# KiCad board Combined.kicad_pcb (continued)
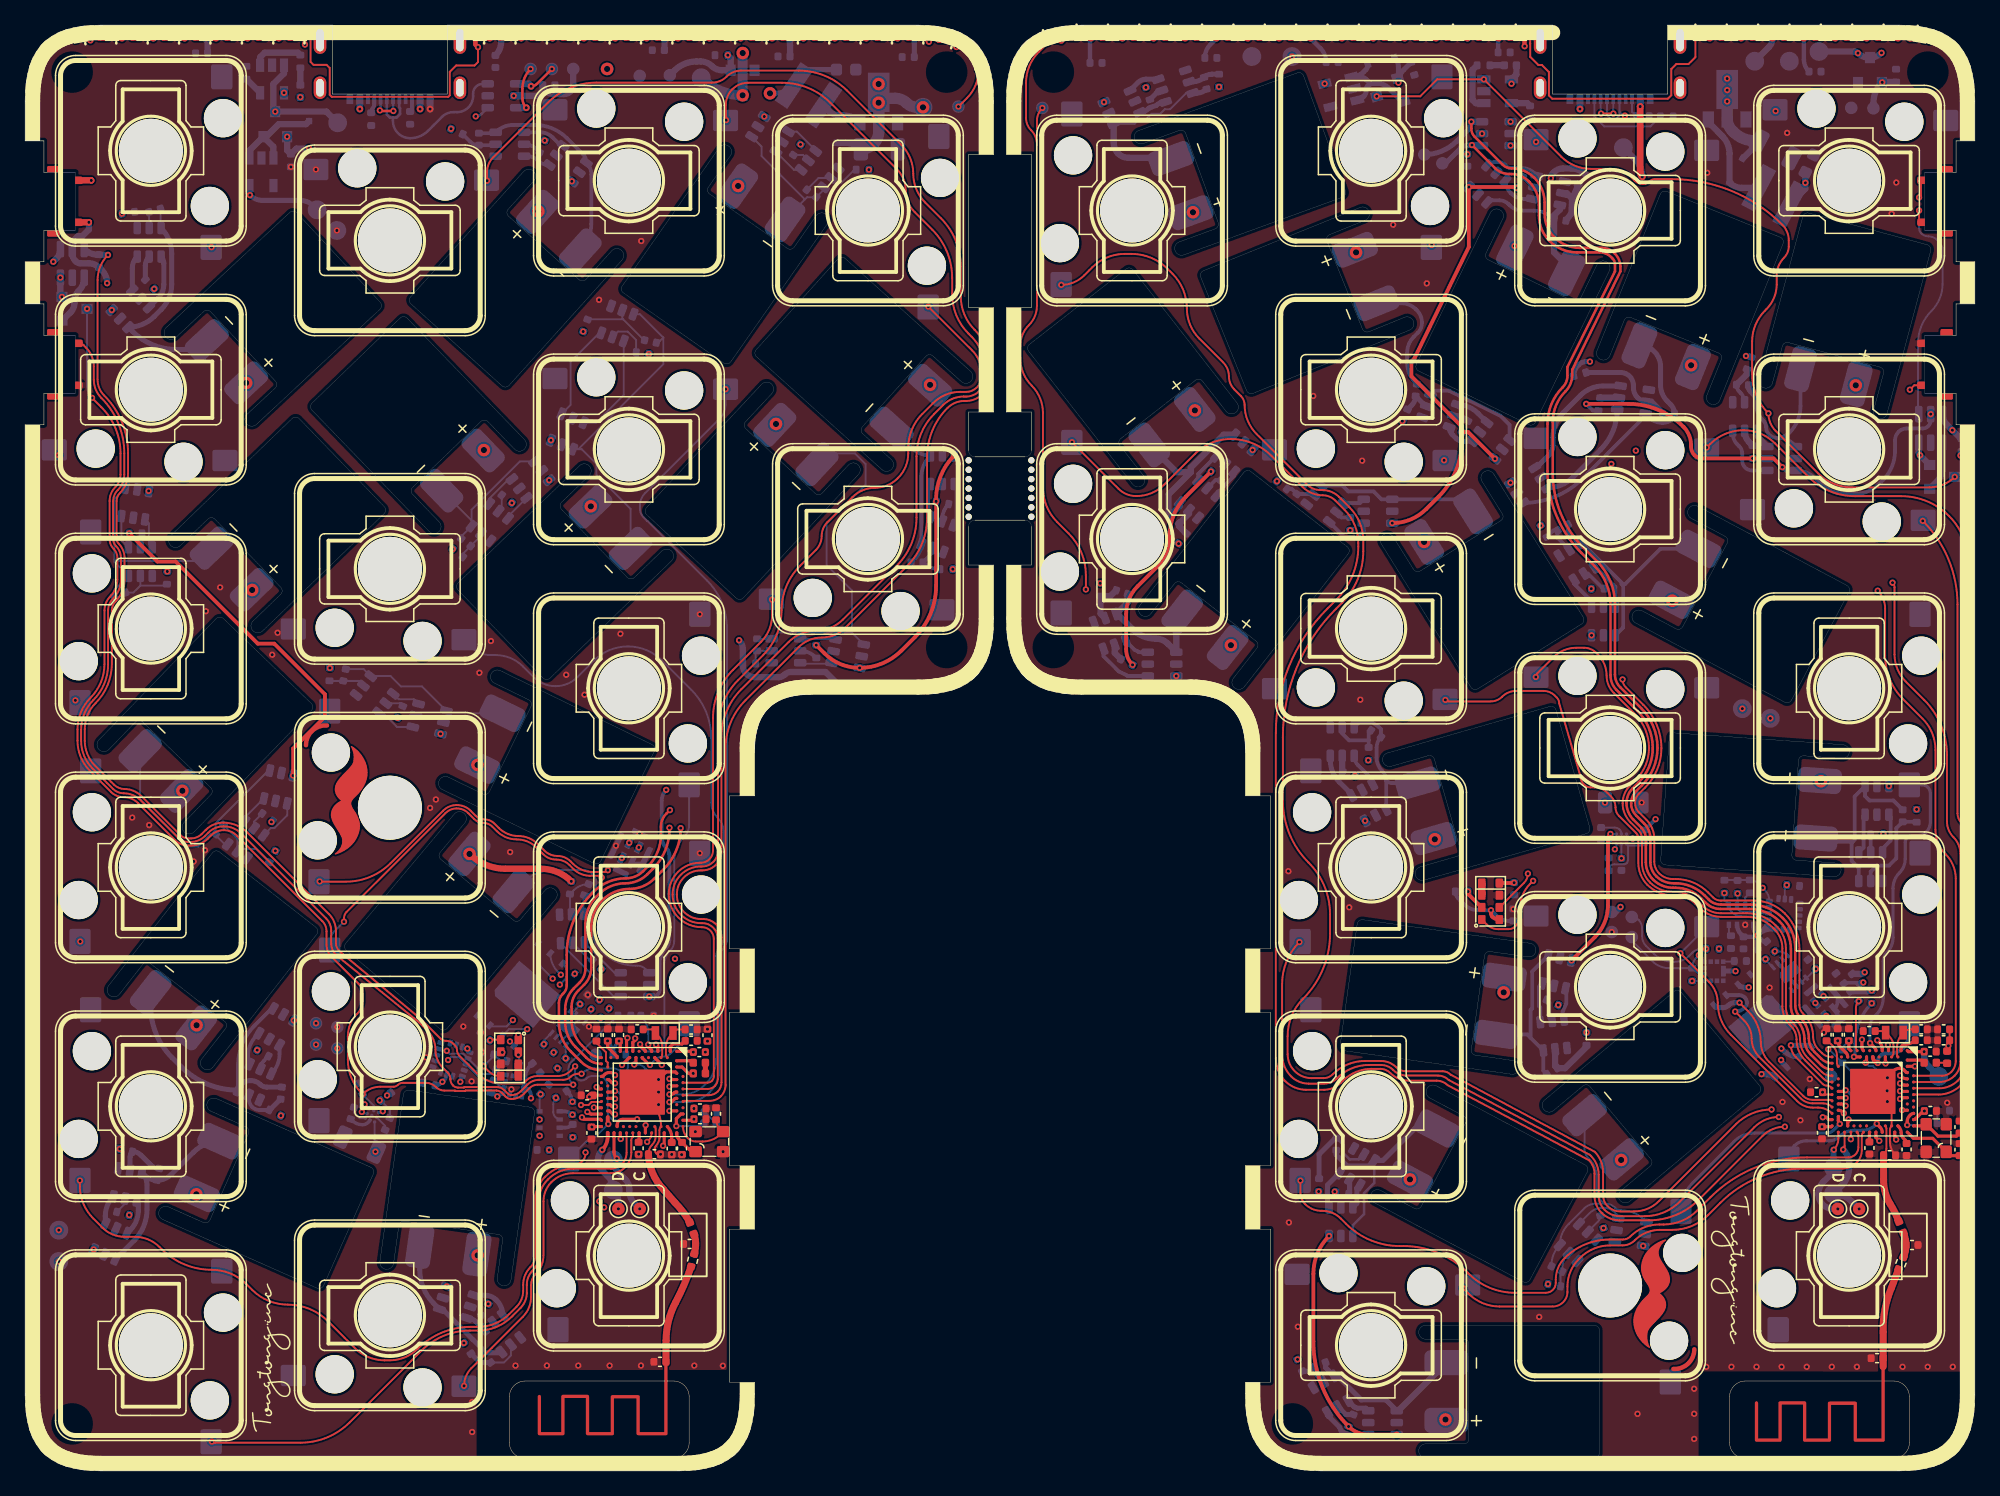
[diagram p0: board, top side]
## Routing (per net, layer and track width the routed paths; a pad name or vN(x,y) marks a point on that pad's centre or on a via; arc(x,y) is an arc through that point) (continued)
  vias: v2(41.01,28.03) v2(41.01,26.73) v2(41.77,25.6) v2(42.13,33.37) v2(42.43,32.12) v2(43.63,29.44) v2(43.65,26.61) v2(43.81,39.65) v2(44.23,37.23) v2(45.11,36.82) v2(45.18,27.43) v2(45.78,37.57) v2(48.91,49.72) v2(135,41.64) v2(143.25,30.2) v2(143.34,37.86) v2(151.37,28.7)
/BAROMETRIC/SDO: length 2
  Bottom w0.15: U35.5 41.01,29.96 ; 135.79,42.85 U35#2.5
  vias: v2(41.08,30.03)
/FLASH/QSPI_CS: length 26.7
  Top w0.15: v2(44.31,29.18) 44.91,29.18 45.15,29.42 45.9,29.42 U30#2.AD16 ; v2(136.64,37.34) 137.32,36.66 arc(138.07,35.54) 138.33,34.21 arc(138.51,33.35) 138.99,32.63 141.71,29.9 arc(142.06,29.67) 142.46,29.59 143.82,29.59 arc(143.92,29.57) U30.AD16
  In1.Cu w0.15: v2(38.64,34.25) arc(38.71,34.29) 38.79,34.31 39.75,34.31 arc(40,34.36) 40.21,34.5 arc(40.34,34.59) 40.5,34.62 41.2,34.62 arc(42.33,34.39) 43.3,33.75 44.41,32.64 arc(44.7,32.21) 44.8,31.7 44.8,31.61 arc(44.73,31.29) 44.55,31.01 arc(44.25,30.57) 44.15,30.04 44.15,29.57 arc(44.19,29.36) v2(44.31,29.18)
  Bottom w0.15: v2(38.64,34.25) 38.99,33.91
  Bottom w0.4: 134.77,36.96 U39.1 arc(134.82,36.99) 135.06,36.94 135.31,36.94 arc(135.54,36.99) 135.74,37.12 arc(135.99,37.29) 136.27,37.34 v2(136.64,37.34)
/FLASH/QSPI_DATA0: length 20.3
  Top w0.15: U30.AD12 143.95,30.58 arc(143.79,30.68) 143.59,30.72 arc(143.42,30.76) 143.27,30.86 141.12,33 arc(140.84,33.44) v2(140.73,33.94)
  Top w0.25: v2(45.55,30.61) 45.7,30.46 U30#2.AD12
  In1.Cu w0.15: v2(45.55,30.61) arc(45.64,30.75) 45.68,30.91 45.68,31.64 arc(45.5,32.53) 45,33.28 42.91,35.36 arc(42.28,36.31) 42.06,37.43 42.06,39.24 arc(42.05,39.25) v2(42.05,39.26)
  Bottom w0.15: v2(42.05,39.26) 41.19,40.12 arc(40.97,40.45) 40.89,40.85 40.89,42.05 arc(40.88,42.07) U39#2.5
  Bottom w0.4: v2(140.73,33.94) 142.11,33.94 arc(142.23,33.92) U39.5 142.24,33.94
/FLASH/QSPI_DATA1: length 27.6
  Top w0.15: v2(136.29,36.63) 137.02,35.91 arc(137.45,35.26) 137.6,34.49 arc(137.76,33.69) 138.22,33.01 141.51,29.71 arc(141.96,29.42) 142.48,29.31 143.29,29.31 arc(143.68,29.24) U30.AD18
  Top w0.25: v2(45.34,28.98) 45.36,28.96 U30#2.AD18
  In1.Cu w0.15: v2(45.34,28.98) arc(45.17,29.01) 45.03,29.11 44.69,29.45 arc(44.54,29.67) 44.49,29.94 44.49,30.21 arc(44.55,30.52) 44.73,30.79 arc(44.99,31.18) 45.08,31.63 45.08,31.69 arc(44.95,32.31) 44.6,32.83 43.39,34.04 arc(42.1,34.91) 40.58,35.21 40.06,35.21 arc(40.04,35.21) v2(40.02,35.23)
  Bottom w0.15: v2(40.02,35.23) 38.56,35.23 38.06,34.72
  Bottom w0.3: U39.2 136.59,37.95 arc(136.85,37.9) 137.06,37.75 arc(137.18,37.58) 137.22,37.37 137.22,37.32 arc(137.19,37.13) 137.08,36.96 137.06,36.95 arc(136.71,36.71) v2(136.29,36.63)
/FLASH/QSPI_DATA2: length 30.2
  Top w0.25: v2(47.02,28.44) 46.85,28.44 46.58,28.71 U30#2.AC19 ; v2(144.96,28.52) 144.85,28.62 arc(144.7,28.73) U30.AC19
  In1.Cu w0.15: v2(47.02,28.44) 47,28.44 45.27,30.16 arc(45.13,30.38) 45.08,30.64 45.08,30.64 arc(45.11,30.79) 45.19,30.91 arc(45.33,31.13) 45.39,31.39 45.39,31.66 arc(45.24,32.41) 44.81,33.04 43.4,34.46 arc(41.77,35.55) 39.85,35.93 38.92,35.93 arc(38.9,35.94) v2(38.88,35.95) ; v2(144.96,28.52) arc(144.47,28.84) 143.9,28.95 143.86,28.95 arc(143.13,29.1) 142.52,29.51 139.58,32.45 arc(138.82,33.58) 138.55,34.92 138.55,35.71 arc(138.25,37.26) v2(137.37,38.56)
  Bottom w0.15: 37.13,35.45 38.38,35.45 v2(38.88,35.95)
  Bottom w0.4: v2(137.37,38.56) 137.04,38.56 arc(136.77,38.62) U39.3
/FLASH/QSPI_DATA3: length 21.8
  Top w0.25: U30.AC17 144.75,29.26 arc(144.94,29.23) v2(145.09,29.12) ; v2(47.02,29.05) 46.77,29.05 46.62,29.21 U30#2.AC17
  In1.Cu w0.15: v2(42.62,38.78) 42.62,37.97 arc(42.96,36.22) 43.95,34.74 45.22,33.48 arc(45.84,32.55) 46.06,31.45 46.06,30.65 arc(46.19,29.96) 46.59,29.37 46.82,29.14 arc(46.91,29.08) v2(47.02,29.05) ; v2(145.09,29.12) arc(144.82,29.31) 144.49,29.37 143.94,29.37 arc(143.29,29.5) 142.73,29.88 140.04,32.57 arc(139.98,32.66) v2(139.95,32.77)
  Bottom w0.15: v2(42.62,38.78) 43,39.16 arc(43.14,39.37) 43.19,39.62 43.19,39.71 arc(43.11,40.08) 42.9,40.4 U39#2.7
  Bottom w0.4: U39.7 140.04,32.56 arc(139.98,32.66) v2(139.95,32.77)
/FLASH/QSPI_SCK: length 22.7
  Top w0.25: v2(47.02,29.67) 46.98,29.71 U30#2.AC15 ; U30.AC15 145.07,29.76 v2(145.09,29.74)
  In1.Cu w0.15: v2(139.97,33.68) 140.1,33.55 arc(140.48,33.3) 140.92,33.21 arc(141.35,33.13) 141.71,32.89 144.69,29.91 arc(144.87,29.78) v2(145.09,29.74) ; v2(47.02,29.67) arc(46.92,29.69) 46.84,29.75 46.64,29.95 arc(46.43,30.26) 46.36,30.63 46.36,31.37 arc(46.1,32.64) 45.39,33.71 44.61,34.48 arc(43.74,35.8) 43.43,37.35 43.43,37.81 arc(43.24,38.76) v2(42.7,39.57)
  Bottom w0.15: v2(42.7,39.57) 42.48,39.79 arc(42.02,40.47) U39#2.6
  Bottom w0.4: 139.99,33.68 v2(139.97,33.68) 140.12,33.54 arc(140.69,33.15) U39.6
/FuelGauge/BatteryPin: length 23.1
  Top w0.25: U30.J1 148.01,33.68 148.01,33.68 arc(147.97,33.93) 147.83,34.13 v2(147.62,34.34) ; v2(49.67,34) 49.67,33.82 49.94,33.55 U30#2.J1
  In1.Cu w0.15: v2(146.5,38.95) 147.15,38.95 arc(147.38,38.91) 147.58,38.77 arc(147.7,38.61) 147.73,38.41 147.73,37.23 arc(147.69,37.02) 147.57,36.84 arc(147.41,36.73) 147.21,36.69 146.49,36.69 arc(145.92,36.81) 145.44,37.13 144.55,38.02 arc(144.01,38.38) 143.38,38.5 arc(143,38.43) 142.69,38.22 arc(142.26,37.58) 142.11,36.83 142.11,36.83 arc(142.21,36.37) 142.46,35.98 142.65,35.8 arc(143.05,35.53) 143.53,35.43 144.98,35.43 arc(146.41,35.15) v2(147.62,34.34)
  Bottom w0.15: 146.38,38.83 v2(146.5,38.95) ; 48.29,36.3 R41.1 arc(49.51,35.65) 49.67,34.88 v2(49.67,34)
  Bottom w0.3: 145.08,38.92 146.03,38.92 arc(146.15,38.9) R40#2.2
/Gyro/Gyro_Interupt: length 48.9
  Top w0.25: U30.B19 149.61,28.76 v2(149.59,28.78) ; U30#2.B19 v2(51.36,28.71)
  In1.Cu w0.15: v2(51.36,28.71) 49.11,28.71 arc(48.79,28.65) 48.53,28.47 48.2,28.14 arc(48.14,28.05) 48.11,27.94 arc(48.09,27.83) 48.03,27.73 47.36,27.06 arc(46.61,26.56) 45.74,26.39 45.08,26.39 arc(44.73,26.46) 44.43,26.66 43.6,27.49 arc(43.52,27.54) 43.43,27.56 arc(43.28,27.59) 43.15,27.67 42.12,28.7 arc(41.83,29.14) 41.73,29.66 41.73,29.98 arc(41.61,30.57) 41.28,31.07 arc(40.67,31.48) 39.95,31.62 34.68,31.62 arc(33.91,31.47) v2(33.26,31.03) ; v2(140.41,46.72) 140.41,46.54 arc(140.98,43.65) 142.61,41.2 142.63,41.18 arc(143.69,40.48) 144.93,40.23 146.63,40.23 arc(147.11,40.14) 147.5,39.87 147.52,39.85 arc(147.91,39.28) 148.04,38.6 148.04,38.4 arc(148.22,37.51) 148.73,36.75 148.97,36.5 arc(149.48,35.74) 149.66,34.84 149.66,33.26 arc(149.56,32.76) 149.27,32.32 arc(149.02,31.94) 148.92,31.48 148.92,29.67 arc(148.98,29.4) 149.13,29.16 149.47,28.83 arc(149.52,28.79) v2(149.59,28.78)
  Bottom w0.15: U34#2.7 140.25,46.56
  Bottom w0.3: R47#2.1 arc(32.95,30.8) 33.17,30.95 v2(33.26,31.03) 33.43,31.2 arc(33.56,31.4) U34.7
/LEDLane/DIN: length 246
  Top w0.15: v2(74.39,108.8) 75.07,109.48 arc(75.76,110.51) v2(76,111.72) arc(75.83,112.58) 75.34,113.31 U27.4 ; U27#2.4 80.8,113.18 arc(80.04,112.04) 79.77,110.7 79.77,107.88 arc(79.88,107.37) 80.17,106.93 arc(80.52,106.4) 80.64,105.78 ; v2(84.54,70.29) 84.54,71.43 arc(84.19,73.23) 83.16,74.76 82.26,75.67 arc(81.42,76.93) 81.12,78.41 81.12,84.37 arc(80.89,85.56) 80.21,86.56 arc(79.55,87.56) 79.31,88.74 79.31,89.71 arc(79.49,90.61) 80,91.37 arc(80.48,92.08) 80.64,92.92 80.64,105.78 ; 80.64,105.78 80.64,107.66 arc(80.76,108.22) v2(81.07,108.69) ; v2(145.51,26.45) 145.51,26.46 U30.W24
  Top w0.25: v2(47.47,26.47) 47.44,26.51 U30#2.W24
  In1.Cu w0.15: v2(145.51,26.45) 143.73,26.45 arc(143.21,26.56) 142.76,26.85 142.51,27.11 arc(142.25,27.5) 142.15,27.96 arc(142.02,28.63) 141.65,29.19 138.62,32.21 arc(137.56,33.81) 137.18,35.69 137.18,37.04 arc(137.07,37.62) 136.73,38.12 135.43,39.43 arc(134.68,39.93) 133.8,40.1 133.51,40.1 arc(133.2,40.17) 132.93,40.34 arc(132.7,40.7) 132.61,41.12 132.61,44.43 arc(132.49,45.04) 132.14,45.56 132.05,45.66 arc(131.77,45.85) 131.44,45.91 130.18,45.91 arc(129.05,46.14) 128.08,46.78 arc(127.4,47.24) 126.59,47.4 123.72,47.4 arc(122.69,47.2) 121.81,46.61 arc(120.5,45.73) 118.94,45.42 113.03,45.42 arc(111.96,45.64) 111.05,46.24 arc(110.47,47.12) 110.26,48.15 110.26,49.29 arc(109.72,52.05) 108.15,54.38 106.84,55.7 arc(105.29,56.73) 103.47,57.09 arc(101.44,57.5) 99.72,58.65 94.72,63.65 arc(92.6,65.07) 90.09,65.56 89.26,65.56 arc(87.42,65.93) 85.85,66.97 arc(84.88,68.42) 84.54,70.14 v2(84.54,70.29) ; v2(76,111.72) 76,108.27 arc(75.79,107.24) 75.21,106.36 arc(74.87,105.86) 74.76,105.27 74.76,92.73 arc(74.9,92.03) 75.29,91.43 arc(76.32,89.89) 76.69,88.07 76.69,86.49 arc(76.25,85.43) 75.19,84.99 75.05,84.99 arc(74,84.55) 73.56,83.5 73.56,75.93 arc(73.1,73.6) 71.77,71.62 71.02,70.86 arc(70.48,70.5) 69.86,70.38 69.78,70.38 arc(68.48,69.84) 67.94,68.54 arc(67.64,67.06) 66.81,65.81 65.52,64.52 arc(63.88,63.43) 61.94,63.04 arc(58.37,61.56) 56.9,58 56.9,57.65 arc(56.58,56.07) 55.69,54.73 55.4,54.44 arc(53.77,52) 53.2,49.13 53.2,48.6 arc(53.08,48.04) 52.77,47.56 52.47,47.26 arc(52.08,46.68) 51.95,46 arc(52.1,45.24) 52.53,44.6 52.88,44.24 arc(53.17,43.82) 53.27,43.32 arc(53.08,42.39) 52.55,41.6 v2(51.8,40.84)
  In2.Cu w0.15: v2(47.47,26.47) 47.47,28.5 arc(47.7,29.66) 48.36,30.65 ; 48.36,30.65 48.36,30.65 ; 48.36,30.65 48.94,31.23 arc(49.12,31.5) 49.19,31.83 49.19,32.63 arc(49.23,32.86) 49.36,33.05 arc(49.56,33.18) 49.78,33.23 50.05,33.23 arc(50.31,33.28) 50.54,33.43 arc(50.74,33.73) 50.81,34.09 50.81,38.7 arc(51.02,39.77) 51.63,40.67 v2(51.8,40.84)
/LEDLane/Led_Ground: length 78.2
  Top w0.3: U11#2.3 22.27,113.79 v2(22.31,113.75)
  Top w0.35: U21#2.3 v2(95.86,114.94) ; U10.3 v2(20.23,114.23) ; U15.3 v2(110.86,114.94) ; U23#2.3 v2(90.86,114.94) ; U8.3 v2(140.18,114.94) ; U26.3 71.77,114.23 v2(72.04,113.97) ; U19#2.3 v2(54.54,114.23) ; U6.3 v2(145.18,114.94) ; U27.3 73.94,113.84 v2(74.23,113.55) ; U12#2.3 v2(118.36,114.94) ; U22#2.3 v2(93.36,114.94) ; U17#2.3 v2(49.54,114.23) ; U15#2.3 v2(44.54,114.23) ; U20#2.3 v2(57.04,114.23) ; U18#2.3 v2(52.04,114.23) ; U16#2.3 v2(47.04,114.23) ; U9.3 v2(17.73,114.23) ; v2(132.75,114.94) U11.3 ; U5.3 v2(7.72,114.23) ; U9#2.3 v2(137.68,114.94) ; U10#2.3 v2(135.18,114.94) ; U12.3 v2(37.04,114.23) ; U25.3 v2(85.86,114.94) ; U13.3 v2(115.86,114.94) ; U5#2.3 v2(147.68,114.94) ; U17.3 v2(105.86,114.94) ; U21.3 v2(59.54,114.23) ; v2(80.88,114.28) U27#2.3 ; U22.3 v2(62.04,114.23) ; U25#2.3 v2(69.54,114.23) ; v2(83.37,114.94) U26#2.3 ; U16.3 v2(108.36,114.94) ; U23.3 v2(64.54,114.23) ; U24#2.3 v2(67.04,114.23) ; U4#2.3 v2(150.33,114.89) ; v2(5.21,114.08) 5.12,114.17 U4.3 ; U18.3 v2(103.36,114.94) ; U24.3 v2(88.36,114.94) ; U14#2.3 v2(42.04,114.23) ; U8#2.3 v2(15.22,114.23) ; U19.3 v2(100.86,114.94) ; U13#2.3 v2(39.54,114.23) ; U6#2.3 v2(10.22,114.23) ; U7#2.3 v2(142.68,114.94) ; U20.3 v2(98.36,114.94) ; U14.3 v2(113.36,114.94) ; U7.3 v2(12.72,114.23)
  In1.Cu w0.3: v2(22.31,113.75) 22.31,113.56 24.26,111.6 24.26,111.03 24.27,111.02 24.27,109.71 24.4,109.58 33.75,109.58 33.89,109.71 33.89,111.02 34.34,111.47 34.97,111.47 arc(35.26,111.53) 35.49,111.69 37.04,113.23 v2(37.04,114.23) ; v2(118.36,114.94) 118.36,113.16 119.33,112.18 121.17,112.18 121.52,111.84 121.52,109.73 121.71,109.53 130.87,109.53 131.13,109.79 131.13,111.87 131.76,112.5 132.36,112.5 132.75,112.89 v2(132.75,114.94)
  Bottom w0.5: REF**#9.1 145.76,113.19 arc(145.93,113.16) v2(146.07,113.06) arc(146.46,112.8) 146.92,112.71 ; 147.06,112.71 arc(147.54,112.81) v2(147.95,113.08)
  Bottom w0.7: 57.19,113.06 v1(57.2,113.07)
  Bottom w0.8: REF**#22.1 53.94,111.04 arc(55.43,110.05) v1(57.19,109.7) 57.19,113.06
/LEDLane/Led_Vin: length 113.8
  Top w0.3: v2(35.53,114.9) 35.56,114.93 U12.2
  Top w0.35: U23.2 v2(62.94,114.93) ; U20.2 v2(99.95,114.24) ; U4.2 v2(3.49,114.64) ; U26#2.2 v2(84.95,114.24) ; 16.57,114.93 v2(16.12,114.93) ; U4#2.2 v2(151.79,114.05) ; U17#2.2 v2(47.94,114.93) ; U7.2 v2(11.12,114.93) ; U6#2.2 v2(8.62,114.93) ; U14.2 v2(114.95,114.24) ; U5#2.2 v2(149.27,114.24) ; U15#2.2 v2(42.94,114.93) ; U25.2 v2(87.45,114.24) ; U16#2.2 v2(45.44,114.93) ; v2(119.51,113.61) 119.5,113.62 U12#2.2 ; U16.2 v2(109.95,114.24) ; U18.2 v2(104.95,114.24) ; U15.2 v2(112.45,114.24) ; U19.2 v2(102.45,114.24) ; U27.2 73.46,114.74 72.9,114.74 v2(72.83,114.81) ; U5.2 v2(6.12,114.93) ; U26.2 v2(70.44,114.93) ; U19#2.2 v2(52.94,114.93) ; U13.2 v2(117.45,114.24) ; U17.2 v2(107.45,114.24) ; U24#2.2 v2(65.44,114.93) ; U24.2 v2(89.95,114.24) ; U13#2.2 v2(37.94,114.93) ; U10.2 v2(18.63,114.93) ; U18#2.2 v2(50.44,114.93) ; U22.2 v2(60.44,114.93) ; U21#2.2 v2(97.45,114.24) ; U7#2.2 v2(144.27,114.24) ; U22#2.2 v2(94.95,114.24) ; U8.2 v2(141.77,114.24) ; U21.2 v2(57.94,114.93) ; U10#2.2 v2(136.77,114.24) ; U23#2.2 v2(92.45,114.24) ; U8#2.2 v2(13.62,114.93) ; U9#2.2 v2(139.27,114.24) ; U25#2.2 v2(67.94,114.93) ; U11.2 v2(134.27,114.24) ; 21.58,114.93 v2(21.13,114.93) ; U27#2.2 v2(82.58,114.06) ; U6.2 v2(146.77,114.24) ; U20#2.2 v2(55.44,114.93) ; U14#2.2 v2(40.44,114.93)
  In2.Cu w0.3: v2(134.27,114.24) 134.27,113.93 132.47,112.13 131.55,112.13 131.13,111.71 131.13,109.79 130.86,109.52 121.71,109.52 121.52,109.72 121.52,111.78 121.05,112.24 120.3,112.24 120.27,112.21 119.51,112.97 v2(119.51,113.61) ; v2(21.13,114.93) 21.13,113.78 22.83,112.09 23.74,112.09 24.27,111.55 24.27,109.71 24.4,109.58 33.75,109.58 33.89,109.71 33.89,111.66 34.27,112.04 35.32,112.04 35.53,112.25 v2(35.53,114.9)
  In2.Cu w0.5: 135.63,112.5 135.65,112.48 v2(135.65,111.03) v2(135.65,109.21)
  In2.Cu w1: v1(46.39,111.8) 46.39,112.7 ; v1(68.03,109.11) 68.03,113.01
  Bottom w0.35: v2(102.45,114.24) 103.24,113.45 arc(103.58,112.94) C18.2 ; C20.2 84.87,114.05 arc(84.89,114.15) v2(84.95,114.24) ; C17.2 117.4,114.11 arc(117.41,114.18) v2(117.45,114.24) ; v2(94.95,114.24) 94.47,113.75 arc(94.14,113.26) C19.2 ; v2(141.77,114.24) 141.77,112.57 arc(141.88,112.04) C16.2
  Bottom w0.4: C20#2.2 70.87,113.91 arc(70.76,114.46) v2(70.44,114.93)
  Bottom w0.5: REF**#42.1 138.99,113.55 arc(139.2,113.87) v2(139.27,114.24) ; C19#2.2 60.97,113.67 arc(60.83,114.35) v2(60.44,114.93) ; C18#2.2 50.97,113.32 50.97,114.41 v2(50.44,114.93) ; v2(37.94,114.93) 37.94,113.98 arc(37.82,113.38) C17#2.2 ; C16#2.2 14.55,114.01 v2(13.62,114.93) ; D3.1 138.2,105.98 ; D3#2.1 65.39,105.91 arc(66.05,105.77) C44#2.1
  Bottom w0.9: v1(71.56,108.74) 71.1,108.74 arc(70.63,108.84) 70.24,109.1 arc(69.84,109.37) 69.37,109.46 68.04,109.46 U32#2.2 68.04,106.81 arc(67.93,106.29) 67.64,105.85 67.59,105.81 arc(67.14,105.51) C44#2.1 ; C44.1 137.85,106.08 arc(136.94,106.26) 136.16,106.77 136.06,106.87 arc(135.76,107.33) U32.2
  vias: v1(68.03,110.6) v2(135.65,110.11)
/LIGHT/APDS_IRQ: length 54
  Top w0.25: v2(143.27,28.2) 143.55,28.2 143.74,28.01 U30.AD22 ; v2(44.38,28.19) 44.53,28.04 45.85,28.04 U30#2.AD22
  Top w0.3: v2(115,46.2) 115,46.02 116.08,44.94
  In1.Cu w0.15: v2(143.27,28.2) 139.45,32.03 arc(138.35,33.67) 137.96,35.61 arc(137.65,37.19) 136.76,38.53 135.61,39.68 arc(134.82,40.21) 133.88,40.39 133.59,40.39 arc(133.35,40.44) 133.15,40.57 133.13,40.6 arc(132.97,40.84) 132.91,41.11 132.91,44.79 arc(132.46,45.87) 131.38,46.32 130.23,46.32 arc(129.34,46.5) 128.58,47 128.4,47.19 arc(127.6,47.73) 126.65,47.91 123.75,47.91 arc(122.35,47.64) 121.16,46.84 arc(120.46,46.37) 119.62,46.2 v2(115,46.2)
  In2.Cu w0.15: v2(44.38,28.19) 44.38,28.19 arc(44,27.94) 43.56,27.85 arc(43.08,27.95) 42.67,28.22 42.12,28.77 arc(41.78,29.27) 41.66,29.88 arc(41.49,30.76) 40.98,31.51 v2(39.32,33.18)
  Bottom w0.15: R54.1 39.36,33.14 v2(39.32,33.18)
/MCU/BatOffPin: length 177.3
  Top w0.15: v2(43.84,32.26) 43.51,31.93 arc(43.02,31.6) 42.43,31.49 40.8,31.49 arc(40.33,31.4) 39.93,31.13 39.82,31.02 arc(39.69,30.93) 39.54,30.9 37.96,30.9 arc(36.91,31.11) 36.02,31.7 34.6,33.12 arc(34.47,33.32) 34.42,33.55 arc(34.38,33.75) 34.27,33.92 34.12,34.07 arc(33.87,34.24) 33.57,34.3 33.52,34.3 arc(33.3,34.34) 33.12,34.47 31.52,36.05 25.17,41.34 25.01,41.51 arc(24.84,41.76) 24.77,42.07 24.77,43.06 arc(24.63,43.79) 24.21,44.41 17.72,50.9 arc(16.84,51.49) 15.79,51.7 arc(15.05,51.55) 14.41,51.13 14.07,50.78 arc(13.69,50.53) 13.24,50.44 12.99,50.44 arc(12.67,50.5) 12.4,50.69 9.26,53.83 arc(8.65,54.24) 7.92,54.38 arc(7.47,54.47) 7.09,54.73 5.58,56.23 arc(4.97,57.15) 4.75,58.23 4.75,59.15 arc(4.98,60.28) 5.61,61.23 arc(6.58,62.67) 6.91,64.37 6.91,68.65 arc(6.99,69.02) 7.19,69.33 7.22,69.36 arc(7.74,70.13) 7.92,71.05 7.92,72.81 arc(7.8,73.43) 7.45,73.95 arc(7.34,74.13) 7.29,74.34 7.29,77.35 arc(7.36,77.69) 7.55,77.98 arc(8.04,78.7) 8.2,79.55 8.2,81.17 arc(7.71,83.65) 6.3,85.76 arc(5.91,86.35) 5.77,87.04 5.77,94.96 arc(5.99,96.05) v2(6.61,96.97)
  Top w0.25: v2(48.78,28.04) 47.64,28.04 arc(47.32,27.91) 47.19,27.59 U30#2.Y23 ; U30.Y23 145.26,27.96 v2(145.33,28.02)
  In1.Cu w0.15: v2(145.33,28.02) arc(145.76,28.31) 146.27,28.41 146.97,28.41 arc(147.85,28.24) 148.6,27.74 149.74,26.6 arc(150.63,26) 151.68,25.79 151.74,25.79 arc(153.08,26.06) 154.22,26.82 arc(154.81,27.7) 155.01,28.73 155.01,79.59 arc(154.65,81.43) v2(153.6,82.99)
  Bottom w0.15: U3.3 152.82,83.67 ; v2(43.84,32.26) 43.84,31.58 arc(43.87,31.44) 43.95,31.32 44.01,31.26 arc(44.14,31.17) 44.3,31.14 44.38,31.14 arc(44.56,31.18) 44.72,31.28 44.72,31.28 arc(44.95,31.44) 45.22,31.49 45.68,31.49 arc(45.94,31.44) 46.17,31.29 arc(46.37,30.99) 46.44,30.64 46.44,28.53 arc(46.47,28.37) 46.56,28.24 46.71,28.09 arc(46.85,27.99) 47.02,27.96 48.59,27.96 arc(48.69,27.98) v2(48.78,28.04)
  Bottom w0.5: v2(6.61,96.97) 5.92,96.97 R2.1 5.79,96.99 arc(5.21,97.11) U3#2.3 ; U3.3 arc(152.92,83.81) 153.18,83.42 v2(153.6,82.99) 154.24,82.36 arc(154.29,82.32) R2#2.1
/MCU/D+: length 233.9
  Top w0.2: v2(115.31,105.73) 117.15,103.9 arc(117.68,103.55) 118.29,103.42 118.45,103.42 arc(119.19,103.28) 119.82,102.86 119.9,102.78 arc(120.46,101.94) 120.66,100.95 120.66,100.12 arc(120.87,99.01) 121.5,98.08 arc(122.5,97.41) 123.68,97.17 125.5,97.17 arc(125.99,97.07) 126.41,96.79 126.53,96.68 arc(126.67,96.47) 126.71,96.23 126.71,95.66 122.92,88.03 122.92,87.33 arc(122.83,86.83) 122.54,86.41 arc(121.65,85.07) 121.33,83.49 121.33,79.73 arc(122.04,76.2) 124.04,73.21 125.09,72.15 arc(126.03,70.76) 126.35,69.11 126.35,63.44 arc(126.48,62.81) 126.84,62.28 128.5,60.61 arc(129.41,59.26) 129.72,57.67 129.72,57.62 arc(129.43,56.15) 128.6,54.91 128.12,54.42 arc(127.76,53.89) 127.63,53.26 arc(127.78,52.54) 128.19,51.93 128.79,51.32 arc(129.08,50.9) 129.17,50.41 129.17,48.53 arc(129.32,47.79) 129.74,47.17 arc(130.48,46.68) 131.34,46.5 131.54,46.5 arc(132.65,46.28) 133.59,45.65 133.94,45.3 arc(134.49,44.94) 135.13,44.81 137.43,44.81 arc(138.73,44.56) 139.82,43.82 arc(140.5,42.82) 140.73,41.63 140.73,37.05 arc(140.85,36.45) 141.19,35.94 arc(141.65,35.26) 141.81,34.45 arc(141.95,33.76) 142.34,33.18 143.14,32.37 arc(143.54,32.11) U30.AD6 ; v2(51.39,52.7) 51.1,52.41 arc(50.79,51.93) 50.67,51.38 50.67,50.69 arc(50.41,49.36) 49.65,48.23 49.25,47.82 arc(48.62,47.41) 47.88,47.26 arc(46.5,46.98) 45.32,46.2 45.19,46.07 arc(43.69,43.82) 43.17,41.17 43.17,38.7 arc(43.1,38.38) 42.92,38.1 42.83,38.01 arc(42.62,37.7) 42.54,37.32 42.54,35.76 arc(42.79,34.5) 43.5,33.44 44.31,32.63 arc(45.06,32.14) U30#2.AD6 ; v2(41.99,111.8) 40.8,110.62 arc(40.59,110.47) v3(40.33,110.42)
  In1.Cu w0.2: v2(51.39,52.7) 54.67,55.98 arc(55.1,56.63) 55.26,57.39 55.26,57.85 arc(55.76,60.37) 57.19,62.51 57.37,62.7 arc(59.61,64.19) 62.26,64.72 arc(63.36,64.94) 64.29,65.56 65.4,66.68 arc(65.93,67.47) 66.12,68.4 arc(66.3,69.31) 66.81,70.07 67.82,71.08 arc(68.59,71.6) 69.51,71.78 arc(69.87,71.85) 70.17,72.06 70.2,72.08 arc(70.59,72.67) 70.73,73.36 70.73,75.38 arc(70.49,76.56) 69.82,77.57 57.97,88.59 arc(57.81,88.82) 57.76,89.1 57.76,89.15 arc(57.83,89.5) 58.03,89.8 58.08,89.85 64.73,97.24 arc(64.98,97.41) 65.28,97.47 68.1,97.47 arc(68.63,97.58) 69.09,97.88 69.93,98.72 arc(70.22,99.15) 70.32,99.66 70.32,101.51 arc(70.01,103.04) 69.14,104.34 64.72,108.76 arc(62.68,110.13) 60.27,110.61 44.86,110.61 arc(43.3,110.92) v2(41.99,111.8)
  Bottom w0.4: v2(115.31,105.73) 115.06,105.73 arc(114.7,105.66) 114.39,105.46 113.39,104.45 arc(113.19,104.32) REF**#36.1 arc(113.18,104.32) 113.37,104.45
  Bottom w0.5: v2(115.31,105.73) 116.02,105.73 arc(116.07,105.72) U28.4
  Bottom w0.54: U28#2.4 40.14,110.61 v3(40.33,110.42)
/MCU/D-: length 231.5
  Top w0.2: v2(51.36,51.29) 51.36,51.17 arc(51.02,49.48) 50.06,48.05 49.6,47.59 arc(48.8,47.05) 47.84,46.86 arc(46.68,46.63) 45.69,45.97 45.56,45.83 arc(44.89,44.83) 44.65,43.65 44.65,40.06 arc(44.54,39.46) 44.19,38.95 43.73,38.48 arc(43.22,37.72) 43.04,36.83 43.04,35.78 arc(43.26,34.73) 43.85,33.83 44.72,32.96 arc(45.28,32.59) U30#2.AD4 ; v2(115.26,107.59) 115.26,107.04 arc(115.33,106.69) 115.53,106.39 117.76,104.17 arc(118.08,103.96) 118.46,103.88 arc(119.44,103.69) 120.28,103.13 arc(120.89,102.21) 121.11,101.14 121.11,100.26 arc(121.31,99.24) 121.89,98.37 arc(122.81,97.75) 123.91,97.53 125.67,97.53 arc(126.2,97.43) 126.65,97.13 126.71,97.06 arc(127.03,96.59) 127.14,96.03 127.14,95.65 123.3,87.8 123.3,87.4 arc(123.16,86.68) 122.75,86.07 arc(122.01,84.97) 121.75,83.66 121.75,79.55 arc(122.39,76.34) 124.22,73.61 125.28,72.54 arc(126.34,70.96) 126.71,69.09 126.71,63.5 arc(126.82,62.96) 127.13,62.5 128.8,60.83 arc(129.76,59.38) 130.1,57.67 arc(129.78,56.05) 128.86,54.67 128.42,54.23 arc(128.11,53.77) 128,53.22 arc(128.11,52.71) 128.4,52.27 129.03,51.63 arc(129.4,51.08) 129.53,50.43 129.53,48.55 arc(129.66,47.94) 130,47.43 arc(130.62,47.01) 131.36,46.86 131.52,46.86 arc(132.78,46.61) 133.85,45.9 134.18,45.56 arc(134.63,45.27) 135.15,45.16 137.5,45.16 arc(138.9,44.89) 140.08,44.09 arc(140.82,42.99) 141.08,41.68 141.08,37.11 arc(141.18,36.61) 141.46,36.19 arc(141.98,35.42) 142.16,34.5 arc(142.28,33.91) 142.62,33.41 143.16,32.87 arc(143.55,32.6) U30.AD4 ; v3(39.94,108.71) arc(39.72,109.05) 39.64,109.45 39.64,110.23 arc(39.81,111.08) v2(40.29,111.8)
  In1.Cu w0.2: v2(40.29,111.8) 40.36,111.88 arc(40.98,112.29) 41.7,112.43 41.72,112.43 arc(42.18,112.34) 42.57,112.08 arc(43.78,111.27) 45.22,110.98 62.4,110.98 arc(64.51,110.56) 66.31,109.36 68.99,106.68 arc(70.27,104.75) 70.73,102.48 arc(71,101.09) 71.79,99.92 72.88,98.83 arc(73.65,97.68) 73.92,96.32 73.92,92.56 arc(74.07,91.79) 74.51,91.14 arc(75.55,89.58) 75.92,87.74 75.92,86.58 arc(75.65,85.93) 75,85.66 arc(72.9,84.79) 72.04,82.7 72.04,75.36 arc(71.64,73.36) 70.51,71.67 70.4,71.56 arc(70.09,71.35) 69.72,71.28 arc(68.84,71.11) 68.09,70.61 67.51,70.02 arc(67.03,69.31) 66.87,68.47 arc(66.64,67.34) 66,66.39 64.78,65.17 arc(63.62,64.39) 62.26,64.12 arc(59.9,63.65) 57.9,62.32 57.55,61.96 arc(56.34,60.15) 55.92,58.02 55.92,57.4 arc(55.7,56.32) 55.09,55.4 51.63,51.94 arc(51.43,51.64) v2(51.36,51.29)
  Bottom w0.4: v2(115.26,107.59) arc(115.19,107.24) 114.99,106.94 114.1,106.05 arc(112.92,105.25) REF**#19.1
  Bottom w0.5: U28.6 v2(115.26,107.59)
  Bottom w0.54: U28#2.6 v3(39.94,108.71)
/MCU/PDM_CLK: length 29.9
  Top w0.25: U30#2.H2 50.19,32.94 50.74,32.38 v2(50.75,32.38) ; v2(148.28,32.5) 148.26,32.51 U30.H2
  In1.Cu w0.15: v2(143.55,36.28) 145.09,36.28 arc(147.03,35.9) 148.68,34.79 arc(148.97,34.37) 149.06,33.88 149.06,33.66 arc(148.97,33.19) 148.7,32.79 148.5,32.59 arc(148.4,32.52) v2(148.28,32.5) ; v2(47.56,48.88) 48.12,48.88 arc(49.21,48.66) 50.13,48.05 50.48,47.7 arc(50.96,46.98) 51.13,46.13 arc(51.34,45.04) 51.96,44.12 52.19,43.89 arc(52.34,43.66) 52.4,43.38 52.4,43.09 arc(52.32,42.7) 52.1,42.37 51.36,41.63 arc(50.79,40.79) 50.6,39.79 50.6,38.79 arc(50.77,37.91) 51.27,37.17 arc(51.58,36.7) 51.69,36.16 51.69,34.65 arc(51.44,33.42) v2(50.75,32.38)
/MCU/PDM_DAT: length 28.8
  Top w0.25: U30.G1 148.51,33.93 v2(148.47,33.97) ; U30#2.G1 50.44,33.85 v2(50.29,34)
  In1.Cu w0.15: v2(48.15,50.09) 48.14,50.09 47.21,49.16 arc(47.13,49.03) 47.1,48.88 47.1,48.71 arc(47.28,48.27) 47.72,48.09 47.74,48.09 arc(48.96,47.85) 49.99,47.16 50.12,47.03 arc(50.43,46.55) 50.55,45.99 50.55,45.9 arc(50.75,44.87) 51.33,44.01 51.64,43.7 arc(51.78,43.48) 51.84,43.22 51.84,43.11 arc(51.79,42.88) 51.66,42.68 51.33,42.36 arc(50.46,41.04) 50.15,39.49 50.15,38.85 arc(50.35,37.83) 50.93,36.97 arc(51.16,36.63) 51.24,36.22 51.24,35.65 arc(51.11,35) 50.74,34.46 v2(50.29,34) ; v2(142.68,37.32) 142.68,36.89 arc(142.78,36.39) 143.06,35.97 arc(143.29,35.83) 143.55,35.77 145.29,35.77 arc(146.87,35.46) 148.21,34.56 148.23,34.54 arc(148.41,34.28) v2(148.47,33.97)
/MCU/SWC: length 14.7
  Top w0.15: U30.AA24 145.01,25.89 arc(144.99,25.74) v2(144.9,25.62)
  Top w0.25: U30#2.AA24 46.94,25.43 arc(46.99,25.14) v2(47.16,24.9)
  Bottom w0.5: v2(48.99,20.9) 48.61,21.28 arc(48.27,21.78) 48.16,22.37 48.16,22.49 arc(48.08,22.9) 47.85,23.24 47.31,23.78 arc(47,24.25) REF**#11.1 ; v2(146.17,20.89) 145.58,21.49 arc(144.91,21.94) REF**#24.1 144.79,22.76 arc(145.22,23.41) 145.37,24.17 145.37,24.49 arc(145.25,25.1) v2(144.9,25.62)
/MCU/SWD: length 14.6
  Top w0.15: U30.AC24 144.51,26.48 arc(144.42,26.01) v2(144.15,25.61)
  Top w0.3: 46.07,25.68 v2(46,25.6) arc(46.32,26.09) 46.44,26.67 U30#2.AC24
  Bottom w0.5: 45.95,25.55 v2(46,25.6) 45.99,25.6 arc(45.74,25.23) 45.66,24.79 arc(45.75,24.33) 46.01,23.94 46.42,23.53 arc(46.77,23.01) REF**#16.1 arc(47.18,21.96) 47.29,21.43 v2(47.29,20.9) ; v2(144.15,25.61) 144.12,25.58 REF**#26.1 arc(144.06,23.88) 143.89,23.62 143.33,23.07 arc(143.03,22.61) 142.92,22.08 arc(143.27,21.24) 144.11,20.89 v2(144.47,20.89)
